# Altium PCB 23005.PcbDoc (part 2 of 3)
Units mm, origin at the board's own origin, x right, y up, seen from the top; angles counter-clockwise.
Board outline 170 x 170 mm, 4 copper layers (Top Layer, Mid Layer 1, Mid Layer 2, Bottom Layer), stack 0.981 mm thick; 179 components, 261 nets, 1060 pads, 391 vias.
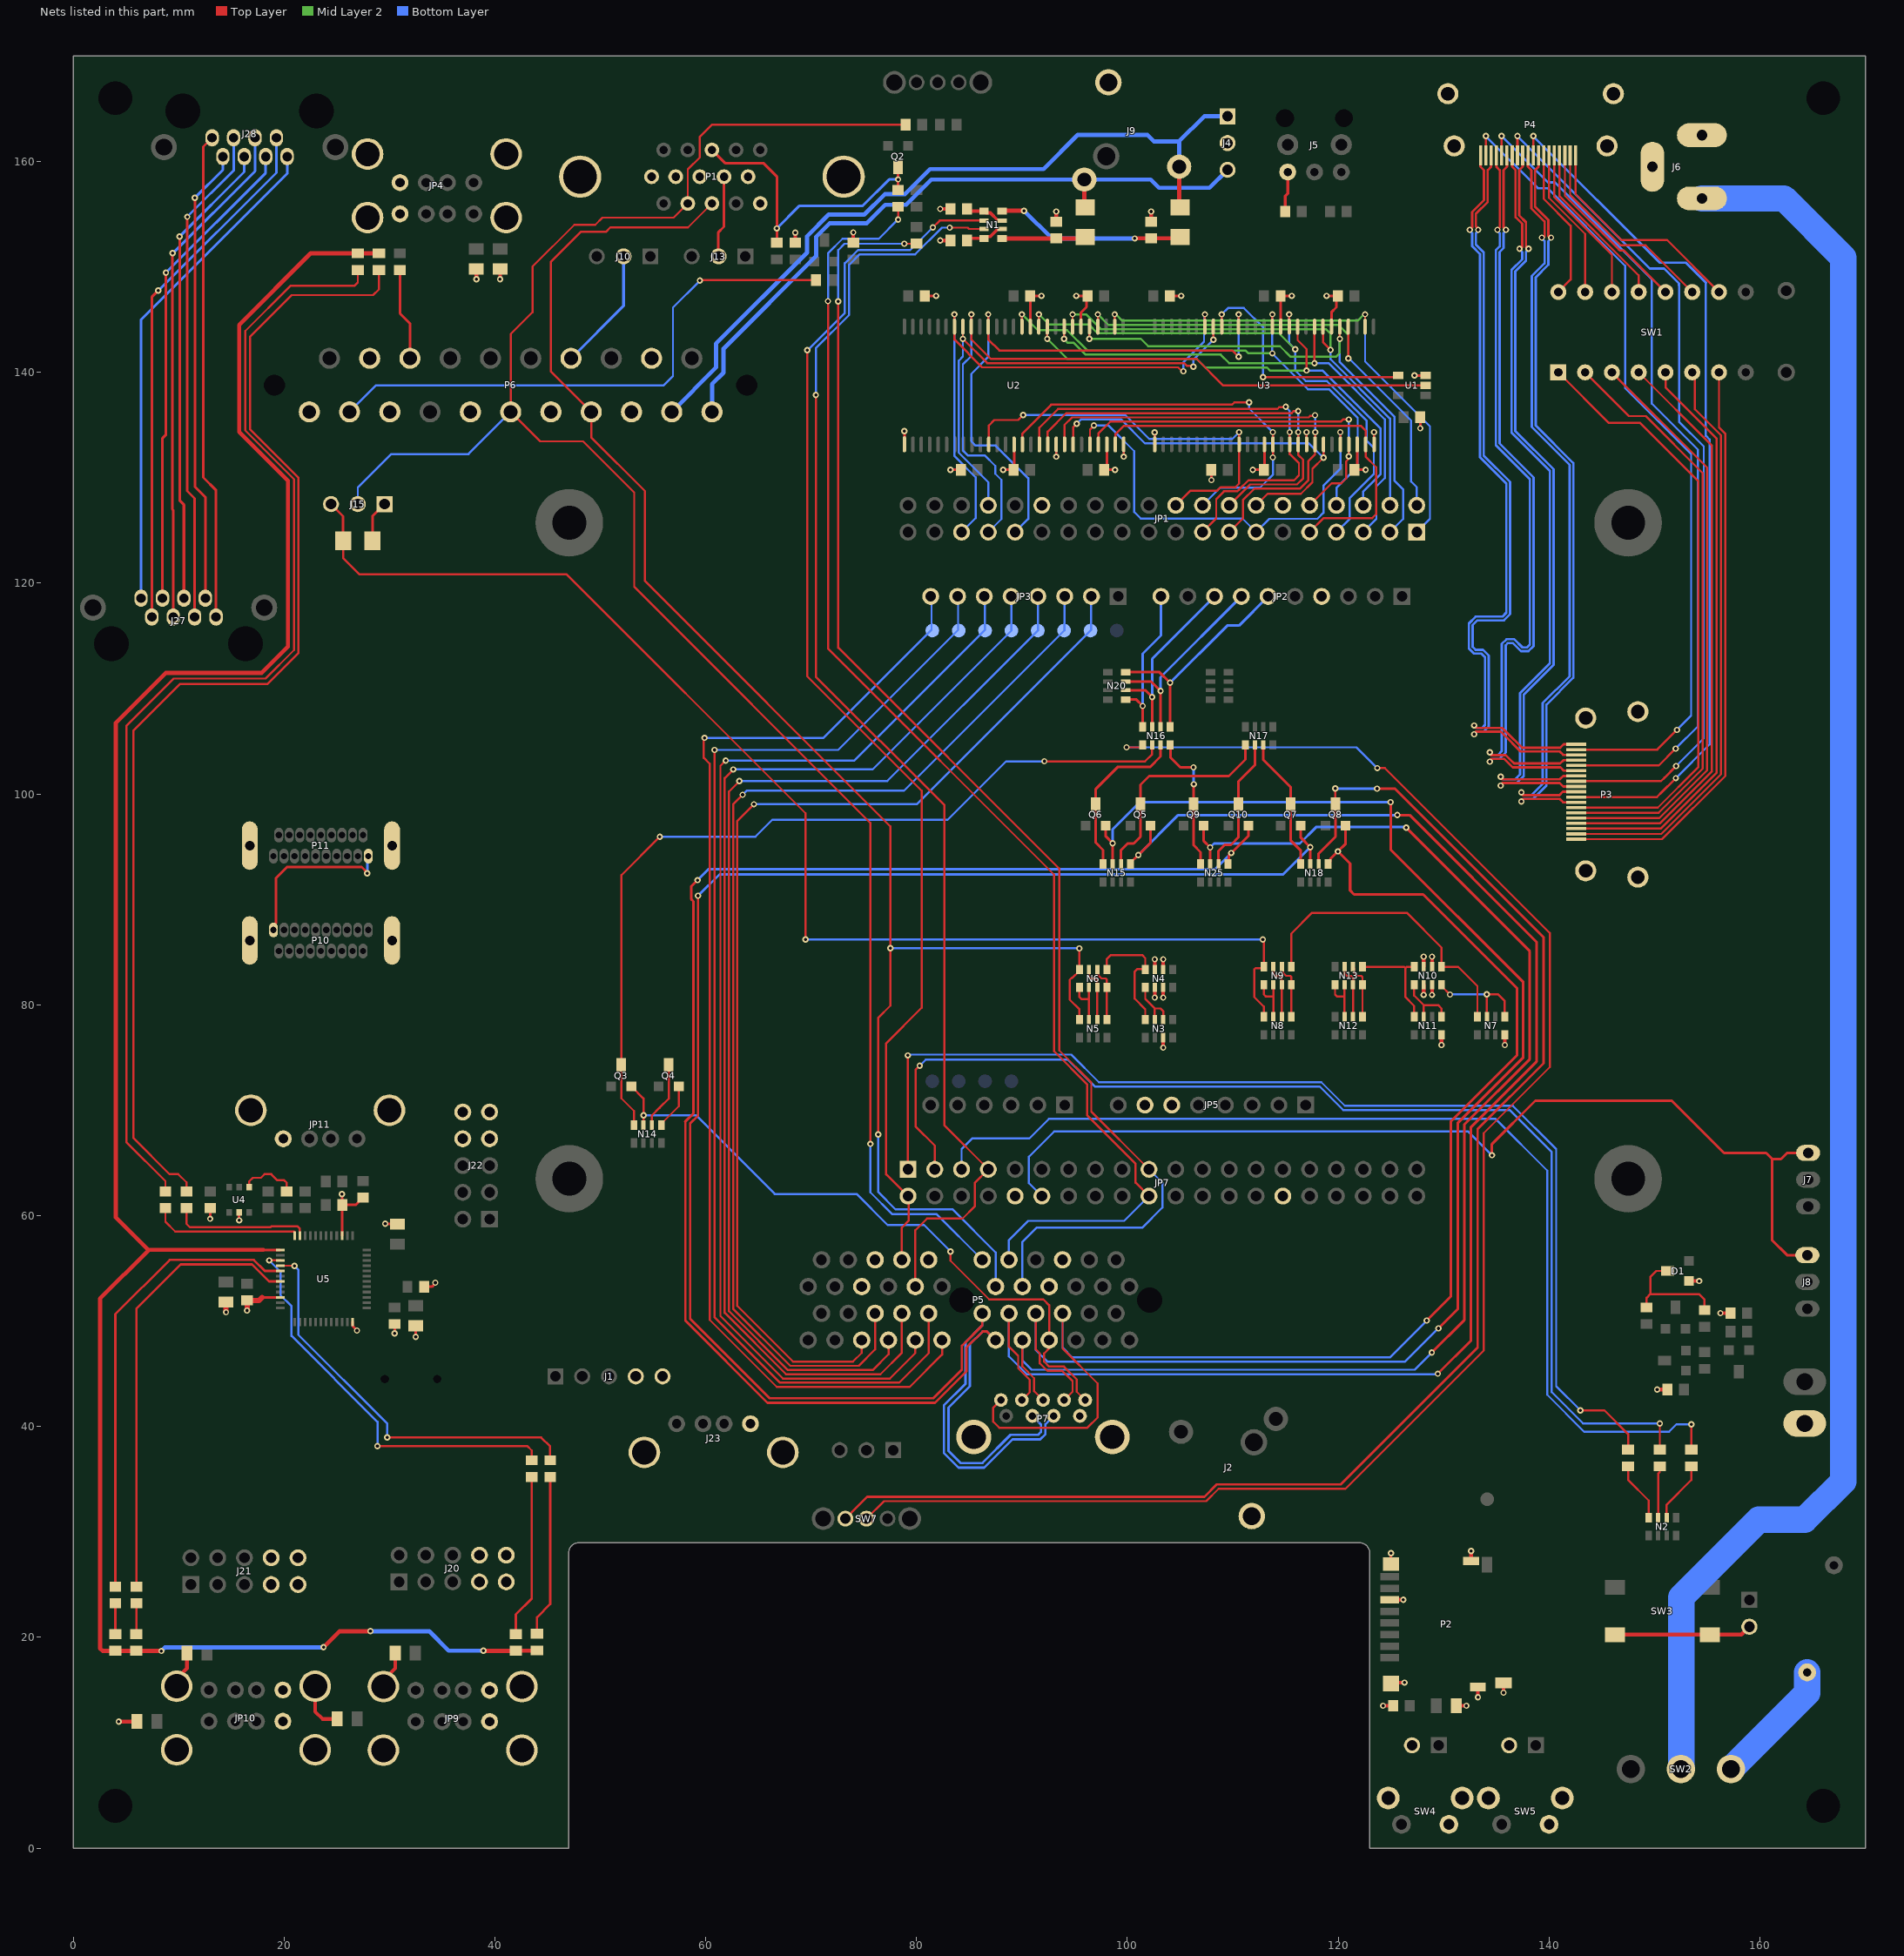
[diagram p4: the nets of this part, all layers, seen from the top]

## Via types
v1: diameter 0.6, hole 0.3, Top Layer to Bottom Layer, tented both sides, 388 vias
v2: diameter 1.4, hole 0.8, Top Layer to Bottom Layer, tented both sides, 3 vias

## Nets (pads, with @x,y where several pads share a name; then routed paths per layer and width w, separated by ;. In a path a pad name is that pad's centre, name@x,y a point inside that pad or via, vN(x,y) a via of type N, cw(c..) or ccw(c..) an arc to the next point about the centre after c; other vN are vias at no path point) (continued)
ARD_IO1: JP3.2 P5.28 PP9.1 | length 105.8
  Top Layer w0.2: v1(64.575,99.025) 63,97.45 63,51.425 68.275,46.15 73.975,46.15 74.8,46.975 P5.28@74.8,48.19
  Bottom Layer w0.2: v1(64.575,99.025) 80.025,99.025 PP9.1@96.5,115.5 96.545,115.545 96.545,118.695 JP3.2@96.59,118.74
ARD_IO2: JP3.3 P5.29 PP10.1 | length 109.1
  Top Layer w0.2: v1(63.5,99.925) 62.6,99.025 62.6,51.175 68.025,45.75 74.525,45.75 76.07,47.295 P5.29@76.07,50.73
  Bottom Layer w0.2: v1(63.5,99.925) 63.875,100.3 78.8,100.3 PP10.1@94,115.5 94.025,115.525 94.025,118.715 JP3.3@94.05,118.74
ARD_IO3: JP3.4 P5.30 PP11.1 | length 107.6
  Top Layer w0.2: v1(63.2,101.225) 62.2,100.225 62.2,50.941 67.791,45.35 75.85,45.35 77.34,46.84 P5.30@77.34,48.19
  Bottom Layer w0.2: v1(63.2,101.225) 77.225,101.225 PP11.1@91.5,115.5 91.505,115.505 91.505,118.735 JP3.4@91.51,118.74
ARD_IO4: JP3.5 P5.31 PP12.1 | length 110.8
  Top Layer w0.2: v1(62.625,102.325) 61.8,101.5 61.8,50.775 67.625,44.95 76.575,44.95 78.61,46.985 P5.31@78.61,50.73
  Bottom Layer w0.2: v1(62.625,102.325) 75.825,102.325 PP12.1@89,115.5 88.985,115.515 88.985,118.725 JP3.5@88.97,118.74
ARD_IO5: JP3.6 P5.32 PP13.1 | length 109
  Top Layer w0.2: v1(61.9,103.175) 61.4,102.675 61.4,50.475 67.325,44.55 77.475,44.55 79.88,46.955 P5.32@79.88,48.19
  Bottom Layer w0.2: v1(61.9,103.175) 74.105,103.175 86.465,115.535 86.465,118.705 JP3.6@86.43,118.74
ARD_IO6: JP3.7 P5.33 PP14.1 | length 112.7
  Top Layer w0.2: v1(60.85,104.175) 60.825,104.15 60.825,50.375 67.05,44.15 78.35,44.15 81.15,46.95 P5.33@81.15,50.73
  Bottom Layer w0.2: v1(60.85,104.175) 72.565,104.175 83.945,115.555 83.945,118.685 JP3.7@83.89,118.74
ARD_IO7: JP3.8 P5.34 PP15.1 | length 111.8
  Top Layer w0.2: v1(59.9,105.325) 59.825,105.25 59.825,103.425 60.388,102.862 60.388,50.113 66.75,43.75 79.35,43.75 82.42,46.82 P5.34@82.42,48.19
  Bottom Layer w0.2: v1(59.9,105.325) 59.925,105.3 71.15,105.3 81.425,115.575 81.425,118.665 JP3.8@81.35,118.74
AUD_LEFT: C16.2 J4.1 J9.2 P6.3 | length 73.4
  Top Layer w0.4: J9.2@104.909,159.509 104.909,155.738 C16.2@105,155.647
  Bottom Layer w0.4: P6.3@56.78,136.25 60.975,140.445 60.975,142.725 69.625,151.375 69.625,152.925 71.663,154.962 75.05,154.962 76.988,156.9 78.9,156.9 81.275,159.275 92.05,159.275 95.3,162.525 101.893,162.525 102.509,161.909 104.909,161.909 ; J9.2@104.909,159.509 104.909,161.909 ; J4.1@109.5,164.29 107.29,164.29 104.909,161.909
AUD_RIGHT: C19.2 J4.3 J9.4 P6.1 | length 65.7
  Top Layer w0.4: J9.4@95.917,158.29 95.917,155.73 C19.2@96,155.647
  Bottom Layer w0.4: P6.1@60.6,136.25 60.6,138.875 61.7,139.975 61.7,142.25 70.475,151.025 70.475,152.85 71.775,154.15 75.275,154.15 77.025,155.9 79.025,155.9 81.415,158.29 J9.4@95.917,158.29 102.21,158.29 103,157.5 107.79,157.5 J4.3@109.5,159.21
BA0: JP1.34 U2.20 U3.20 | length 45.8
  Top Layer w0.2: U2.20@84.399,144.338 v1(84.399,143.176) 86.7,140.875 105.392,140.875 105.665,140.602 106.173,140.602 v1(106.25,140.525) ; v1(108.149,143.1) U3.20@108.149,144.338
  Bottom Layer w0.2: v1(84.399,143.176) 84.399,141.5 83.999,141.1 83.999,132.376 86.81,129.565 JP1.34@86.81,127.38 ; v1(106.25,140.525) 106.25,141.168 108.149,143.068 v1(108.149,143.1)
BA1: JP1.35 U2.21 U3.21 | length 54.8
  Top Layer w0.2: v1(83.599,145.5) U2.21@83.599,144.338 83.599,143.101 86.225,140.475 104.817,140.475 105.192,140.1 v1(105.3,140.1) ; U3.21@107.349,144.338 v1(107.349,145.5)
  Bottom Layer w0.2: v1(83.599,145.5) 83.599,132.051 85.6,130.05 85.6,126.17 JP1.35@84.27,124.84 ; v1(105.3,140.1) 105.3,140.925 107.273,142.898 107.273,145.422 v1@107.35,145.499
BLUE: N5.8 N6.8 P1.3 P5.13 P6.7 | length 161.9
  Top Layer w0.2: P1.3@60.59,156.02 58.32,153.75 50.95,153.75 50.525,153.325 48.15,153.325 45.325,150.5 45.325,140.065 P6.7@49.14,136.25 49.14,133.835 54.25,128.725 54.25,120.2 77.525,96.925 v1(77.525,85.375) 77.525,79.925 76.375,78.775 v1(76.375,67.7) ; N5.8@95.45,78.6 95.45,79.575 94.525,80.5 94.525,82.35 94.725,82.55 94.775,82.55 95.45,83.225 N6.8@95.45,83.35 v1(95.45,85.35)
  Bottom Layer w0.2: v1(76.375,67.7) 76.375,62.225 78.02,60.58 83.433,60.58 87.5,56.513 P5.13@87.5,53.27 ; v1(77.525,85.375) 77.538,85.362 95.438,85.362 v1(95.45,85.35)
CAS: JP1.31 U2.17 U3.17 | length 57.2
  Top Layer w0.2: v1(86.8,145.5) U2.17@86.8,144.338 86.8,143.128 87.852,142.075 109.95,142.075 v1(110.55,141.475) ; U3.17@110.55,144.338 v1(110.55,145.5)
  Bottom Layer w0.2: v1(86.8,145.5) 86.8,141.45 85.199,139.85 85.199,133.451 85.6,133.05 87.5,133.05 90.6,129.95 90.6,126.09 JP1.31@89.35,124.84 ; v1(110.55,141.475) v1(110.55,145.5)
CLK: JP1.20 U2.38 U3.38 | length 38.9
  Top Layer w0.2: U2.38@86.85,133.162 86.85,134.95 87.375,135.475 89.65,135.475 v1(90.125,135.95) ; JP1.20@104.59,127.38 105.985,128.775 108.525,128.775 108.863,129.113 110.263,129.113 110.6,129.45 U3.38@110.6,133.162 v1@110.6,134.323
  Bottom Layer w0.2: v1(90.125,135.95) 99.8,135.95 102.075,133.675 109.949,133.675 v1(110.599,134.325)
CS1: JP1.33 U1.2 U2.19 | length 71.3
  Top Layer w0.2: v1(85.199,145.5) U2.19@85.199,144.338 85.199,143.128 87.052,141.275 106.575,141.275 109.1,138.75 U1.2@128.3,138.75
  Bottom Layer w0.2: v1(85.199,145.5) 85.199,141.549 84.399,140.749 84.399,132.576 84.85,132.125 86.475,132.125 87.475,131.125 87.475,130.375 88.05,129.8 88.05,126.08 JP1.33@86.81,124.84
CS2: U1.4 U3.19 | length 23.7
  Top Layer w0.2: U3.19@108.949,144.338 v1(108.949,145.5) ; v1(112.875,139.55) 125.55,139.55 U1.4@125.7,139.7
  Bottom Layer w0.2: v1(108.949,145.5) 109.549,146.1 111.05,146.1 112.875,144.275 v1(112.875,139.55)
CTS: JP2.6 N16.1 N20.4 | length 21.5
  Top Layer w0.25: N20.4@99.85,111.55 103.05,111.55 v1(104.05,110.55) N16.1@104.05,106.35
  Bottom Layer w0.25: v1(104.05,110.55) 109.475,115.975 110.585,115.975 JP2.6@113.35,118.74
DQ0: JP1.1 U2.2 U3.2 | length 50.3
  Top Layer w0.2: U2.2@98.801,144.338 v1(98.801,145.5) ; U3.2@122.551,144.338 v1(122.551,145.5)
  Mid Layer 2 w0.2: v1(98.801,145.5) 98.909,145.5 99.509,144.9 121.843,144.9 122.443,145.5 v1(122.551,145.5)
  Bottom Layer w0.2: v1(122.551,145.5) 122.551,141.024 128.7,134.875 128.7,126.09 JP1.1@127.45,124.84
DQ1: JP1.2 U2.4 U3.4 | length 47.6
  Top Layer w0.2: U2.4@97.201,144.338 v1(97.201,145.5) ; v1@120.95,141.325 U3.4@120.951,144.338
  Mid Layer 2 w0.2: v1(97.201,145.5) 98.201,144.5 120.025,144.5 120.95,143.575 v1(120.95,141.325)
  Bottom Layer w0.2: v1(120.95,141.325) 121,141.325 126.9,135.425 126.9,129.65 127.45,129.1 JP1.2@127.45,127.38
DQ2: JP1.3 U2.5 U3.5 | length 49.6
  Top Layer w0.2: v1(96.401,143.176) U2.5@96.401,144.338 ; v1(120.151,143.176) U3.5@120.151,144.338
  Mid Layer 2 w0.2: v1(96.401,143.176) 101.274,143.176 101.975,142.475 114.475,142.475 115.475,141.475 119.775,141.475 120.151,141.851 v1(120.151,143.176)
  Bottom Layer w0.2: v1(120.151,143.176) 120.151,140.974 125.325,135.8 125.325,129.725 126.15,128.9 126.15,126.08 JP1.3@124.91,124.84
DQ3: JP1.4 U2.7 U3.7 | length 47.5
  Top Layer w0.2: U2.7@94.801,144.338 v1(94.801,145.5) ; U3.7@118.551,144.338 118.576,144.313 118.576,142.824 v1(119.275,142.125)
  Mid Layer 2 w0.2: v1(94.801,145.5) 96.075,145.5 97.475,144.1 118.825,144.1 119.275,143.65 v1(119.275,142.125)
  Bottom Layer w0.2: v1(119.275,142.125) 119.275,141.241 124.91,135.606 JP1.4@124.91,127.38
DQ4: JP1.5 U2.8 U3.8 | length 49.8
  Top Layer w0.2: v1(94.001,143.176) U2.8@94.001,144.338 ; v1(117.75,140.875) U3.8@117.75,144.338
  Mid Layer 2 w0.2: v1(94.001,143.176) 94.001,143.125 94.337,142.788 94.922,142.788 96.034,141.675 108.85,141.675 109.65,140.875 v1(117.75,140.875)
  Bottom Layer w0.2: v1(117.75,140.875) 119.075,140.875 124.425,135.525 124.425,129.975 123.625,129.175 123.625,126.095 JP1.5@122.37,124.84
DQ5: JP1.6 U2.10 U3.10 | length 48.8
  Top Layer w0.2: v1(92.4,143.176) U2.10@92.4,144.338 ; U3.10@116.15,144.338 116.15,143.05 117,142.2 v1(117,140.175)
  Mid Layer 2 w0.2: v1(92.4,143.176) 94.301,141.275 106.575,141.275 107.4,140.45 113.246,140.45 113.521,140.175 v1(117,140.175)
  Bottom Layer w0.2: v1(117,140.175) 118.491,140.175 124.025,134.641 124.025,130.35 122.373,128.698 122.373,127.383 JP1.6@122.37,127.38
DQ6: JP1.7 U2.11 U3.11 | length 54.7
  Top Layer w0.2: U2.11@91.6,144.338 v1(91.6,145.5) ; U3.11@115.35,144.338 v1(115.35,145.5)
  Mid Layer 2 w0.2: v1(91.6,145.5) 92.55,144.55 96.325,144.55 97.175,143.7 114.4,143.7 v1(115.925,142.175)
  Bottom Layer w0.2: v1(115.35,145.5) 115.35,142.75 v1(115.925,142.175) 115.925,140.175 116.925,139.175 118.925,139.175 122.7,135.4 122.7,133.5 123.375,132.825 123.375,130.35 121.1,128.075 121.1,126.11 JP1.7@119.83,124.84
DQ7: JP1.8 U2.13 U3.13 | length 51.1
  Top Layer w0.2: U2.13@90,144.338 v1(90,145.5) ; U3.13@113.75,144.338 v1(113.75,145.5)
  Mid Layer 2 w0.2: v1(90,145.5) 91.5,144 94.275,144 96.2,142.075 111.2,142.075 111.475,141.8 v1(113.75,141.8)
  Bottom Layer w0.2: v1@113.75,141.775 117.125,138.4 119.134,138.4 121.85,135.684 121.85,131.063 119.83,129.043 JP1.8@119.83,127.38 ; v1(113.75,141.8) v1(113.75,145.5)
DQ8: JP1.18 U2.42 U3.42 | length 39.4
  Top Layer w0.2: U2.42@90.042,133.171 90.042,134.192 92.775,136.925 109.924,136.925 110.149,137.15 v1(111.55,137.15) ; v1@113.801,131.926 U3.42@113.801,133.162 v1@113.801,134.323
  Bottom Layer w0.2: JP1.18@107.13,127.38 108.8,129.05 112.575,129.05 113.8,130.275 v1(113.8,131.925) ; v1(111.55,137.15) 111.55,136.574 v1(113.799,134.325)
DQ9: JP1.17 U2.44 U3.44 | length 45.2
  Top Layer w0.2: U2.44@91.642,133.171 91.642,134.742 93.425,136.525 114.237,136.525 114.4,136.688 114.988,136.688 v1(115.025,136.725) ; JP1.17@107.13,124.84 108.425,126.135 108.425,127.975 109.163,128.713 110.428,128.713 110.579,128.863 110.587,128.863 111.487,129.762 115.812,129.762 116.275,130.225 116.275,131.375 115.401,132.249 U3.44@115.401,133.162 v1@115.401,134.323
  Bottom Layer w0.2: v1(115.025,136.725) 115.025,136.7 115.399,136.326 v1(115.399,134.325)
DQ10: JP1.16 U2.45 U3.45 | length 40.4
  Top Layer w0.2: U2.45@92.442,133.171 92.442,134.367 94.2,136.125 115.575,136.125 115.763,136.313 116.188,136.313 v1(116.2,136.325) ; JP1.16@109.67,127.38 111.652,129.362 116.087,129.362 116.675,129.95 116.675,131.7 116.201,132.174 U3.45@116.201,133.162 v1@116.201,134.323
  Bottom Layer w0.2: v1(116.2,134.325) v1@116.2,136.324
DQ11: JP1.15 U2.47 U3.47 | length 43
  Top Layer w0.2: U2.47@94.051,133.162 94.043,133.171 94.043,135.009 94.759,135.725 117.2,135.725 117.35,135.875 117.75,135.875 v1(117.8,135.925) ; JP1.15@109.67,124.84 110.95,126.12 110.95,127.875 112.038,128.963 116.363,128.963 117.15,129.75 117.15,131.55 117.801,132.201 U3.47@117.801,133.162 117.813,133.174 117.813,134.313 v1(117.825,134.325)
  Bottom Layer w0.2: v1(117.8,135.925) 117.812,135.912 117.812,134.337 v1(117.825,134.325)
DQ12: JP1.14 U2.48 U3.48 | length 37.5
  Top Layer w0.2: U2.48@94.831,133.172 U2.48@94.842,133.183 ; U2.48@94.851,133.162 94.851,134.776 v1(95.2,135.125) ; JP1.14@112.21,127.38 113.302,128.473 114.287,128.473 114.294,128.48 116.455,128.48 117.55,129.575 117.55,130.85 v1(118.601,131.901) U3.48@118.601,133.162
  Bottom Layer w0.2: v1(95.2,135.125) 95.625,135.55 99.375,135.55 101.675,133.25 117.226,133.25 118.574,131.901 v1(118.601,131.901)
DQ13: JP1.13 U2.50 U3.50 | length 41.5
  Top Layer w0.2: U2.50@96.452,133.162 96.452,134.577 v1(96.825,134.95) ; v1(120.2,134.325) 120.202,134.323 U3.50@120.202,133.162
  Bottom Layer w0.2: v1(96.825,134.95) 98.225,134.95 100.65,132.525 100.65,126.75 101.275,126.125 110.925,126.125 JP1.13@112.21,124.84 113.47,126.1 118.025,126.1 118.6,126.675 118.6,129.25 120.2,130.85 v1(120.2,134.325)
DQ14: JP1.10 U2.51 U3.51 | length 36.7
  Top Layer w0.2: U2.51@97.252,133.162 97.252,134.202 98.375,135.325 120.25,135.325 120.45,135.525 v1(121,135.525) ; JP1.10@117.29,127.38 119.385,129.475 120.3,129.475 120.75,129.925 120.75,131.55 121.002,131.802 v1(121.002,132.025) U3.51@121.002,133.162
  Bottom Layer w0.2: v1(121,135.525) 121,135.475 121.002,135.473 v1(121.002,132.025)
DQ15: JP1.9 U2.53 U3.53 | length 40.6
  Top Layer w0.2: U2.53@98.852,133.162 98.852,134.102 99.675,134.925 122.15,134.925 122.602,134.473 U3.53@122.602,133.162 122.602,131.998 123.6,131 123.6,126.55 123.225,126.175 118.625,126.175 JP1.9@117.29,124.84
DSR: JP2.8 N16.3 N20.2 | length 17.6
  Top Layer w0.25: N20.2@99.85,109.85 101.7,109.85 v1(102.35,109.2) N16.3@102.35,106.35
  Bottom Layer w0.25: v1(102.35,109.2) 102.35,111.425 102.35,112.82 104.4,114.87 JP2.8@108.27,118.74
DTR: JP2.7 N16.2 N20.3 | length 19.2
  Top Layer w0.25: N20.3@99.85,110.65 102.275,110.65 v1(103.15,109.775) N16.2@103.15,106.35
  Bottom Layer w0.25: v1(103.15,109.775) 103.15,111.08 JP2.7@110.81,118.74
FAN_DRIVE: J7.1 J8.1 JP7.12 | length 97
  Top Layer w0.25: v1(134.582,65.728) 134.582,66.782 138.7,70.9 151.65,70.9 156.6,65.95 160.587,65.95 161.175,65.363 ; J8.1@164.5,56.25 162.575,56.25 161.175,57.65 161.175,65.363 ; J7.1@164.575,65.95 162.581,65.95 161.994,65.363 161.175,65.363
  Bottom Layer w0.2: JP7.12@91.89,61.85 90.65,63.09 90.65,65.575 93.05,67.975 132.325,67.975 134.572,65.728 v1(134.582,65.728)
FLAG-: R21.1 U4.4 | length 5.5
  Top Layer w0.2: U4.4@16.7,62.7 16.7,63.25 17.037,63.588 17.812,63.588 18.15,63.925 18.8,63.925 19.375,63.35 20.025,63.35 20.25,63.125 R21.1@20.25,62.287
GND: C1.2 C2.2 C3.2 C4.2 C5.2 C6.2 C7.2 C8.2 C9.2 C10.2 C11.2 C12.2 C13.2 C14.2 C15.1 C17.2 C18.1 C20.2 C21.2 C23.2 C24.2 C25.2 C26.2 C27.2 C28.2 C29.2 C30.2 C31.2 C32.2 C33.2 C34.2 C35.2 D1.1 J1.4 J1.5 J2.1 J4.2 J5.1 J6.2 J6.3 J9.1 J11.2 J12.2 J14.2 J20.7 J20.8 J20.9 J20.10 J21.7 J21.8 J21.9 J21.10 J22.7 J22.8 J22.9 J22.10 J23.4 J23.5 J23.6 J29.2 JP1.12 JP1.30 JP2.4 JP4.4 JP4.8 JP4.9 JP4.10 JP4.11 JP4.12 JP5.6 JP5.7 JP7.10 JP7.30 JP9.4 JP9.8 JP9.9 JP9.10 JP9.11 JP9.12 JP10.4 JP10.8 JP10.9 JP10.10 JP10.11 JP10.12 JP11.4 JP11.5 JP11.6 N3.3 N4.2 N4.3 N4.6 N4.7 N7.4 N10.2 N10.3 N10.6 N10.7 N11.4 P1.5 P1.6 P1.7 P1.8 P1.10 P1.16 P1.17 P2.6 P2.12 P2.13 P2.14 P2.15 P2.16 P3.20 P3.21 P3.22 P3.23 P4.20 P4.21 P4.22 P4.23 P5.5 P5.6 P5.10 P5.17 P5.18 P6.4 P6.5 P6.9 P6.13 P6.17 P6.18 P6.21 P7.4 P7.10 P10.20 P10.21 P11.20 P11.21 R1.2 R2.2 R3.2 R12.2 R20.1 R25.1 R30.1 SW3.1 SW3.2 SW4.2 SW4.3 SW4.4 SW5.2 SW5.3 SW5.4 U1.3 U2.6 U2.12 U2.28 U2.41 U2.46 U2.52 U2.54 U3.6 U3.12 U3.28 U3.41 U3.46 U3.52 U3.54 U4.2 U5.10 U5.24 U5.39 | length 122.8
  Top Layer w0.2: v1@93.251,131.999 U2.46@93.251,133.162 ; v1@99.652,131.999 U2.54@99.652,133.162 ; U3.46@117.001,133.162 v1(117.002,134.325) ; U3.54@123.402,133.162 v1(123.402,134.325)
  Top Layer w0.25: v1(13,59.7) R20.1@13,60.713 ; C30.2@14.499,51.8 C30.2@14.5,51.799 ; v1(15.75,59.55) U4.2@15.75,60.3 ; 17.925,52.25 U5.10@19.66,52.25 ; U5.39@25.5,58.09 25.5,60.787 25.537,60.825 C33.2@25.537,61 ; v1(25.5,62.05) 25.5,61.037 26.825,61.037 R30.1@27.5,61.713 ; U5.24@26.5,49.91 26.5,49.535 26.925,49.11 v1(26.925,49.1) ; v1(29.6,59.225) 30.726,59.225 C32.2@30.751,59.2 ; v1(30.5,48.825) C35.2@30.5,49.713 ; C34.2@32.499,49.55 32.5,49.549 v1(32.5,48.5) ; R25.1@33.287,53.25 34.042,53.25 34.35,53.558 v1(34.35,53.635) ; v1(78.85,134.425) 78.85,134.546 78.852,134.548 U2.28@78.852,133.172 ; C8.2@80.787,147.25 v1(81.85,147.25) ; v1(83.225,130.75) C11.2@84.213,130.75 ; v1(88.225,130.75) C12.2@89.213,130.75 89.251,130.788 U2.41@89.251,133.162 ; U2.12@90.8,144.338 90.8,147.237 C9.2@90.787,147.25 v1(91.85,147.25) ; v1(95.15,147.25) C10.2@96.213,147.25 96.125,147.162 96.125,146.2 95.601,145.676 U2.6@95.601,144.338 ; U2.52@98.052,133.162 98.052,131.014 C13.2@97.787,130.75 v1(98.825,130.75) ; v1(102.59,134.3) 102.596,134.294 102.596,133.178 U3.28@102.602,133.172 ; C3.2@104.037,147.25 v1(105.1,147.25) ; C2.2@107.963,130.75 107.975,130.738 v1(107.975,129.775) ; v1(111.9,130.75) C6.2@112.963,130.75 113.001,130.788 U3.41@113.001,133.162 ; U3.12@114.55,144.338 114.55,147.237 C4.2@114.537,147.25 v1(115.6,147.25) ; v1(118.9,147.25) C5.2@119.963,147.25 119.825,147.112 119.825,146.175 119.351,145.701 U3.6@119.351,144.338 ; U3.52@121.802,133.162 121.802,131.014 C7.2@121.537,130.75 v1(122.6,130.75) ; P2.15@125,26.95 v1(125,27.975) ; v1(127.237,139.7) U1.3@128.3,139.7 ; v1(127.787,134.687) C1.2@127.787,135.75
  Top Layer w0.3: C23.2@114.963,155.25 114.963,156.713 115.21,156.96 J5.1@115.21,159
  Top Layer w0.35: v1(4.325,12) 4.326,12.001 C27.2@6.05,12.001 ; JP10.9@9.82,15.35 9.82,16.067 10.8,17.047 C26.2@10.8,18.501 ; JP10.10@22.96,15.35 22.96,12.94 23.649,12.251 C24.2@25.05,12.251 ; JP9.9@29.43,15.32 29.43,15.944 30.55,17.064 C25.2@30.55,18.501 ; v1(38.249,148.837) C28.2@38.249,149.8 ; v1(40.499,148.837) C29.2@40.499,149.8 ; R2.2@68.5,152.287 v1(68.5,153.25) ; R1.2@74,152.287 v1(74,153.275) ; v1(82.25,152.5) C17.2@83.213,152.5 ; v1(82.25,155.5) C14.2@83.213,155.5 ; C18.1@93.25,154.287 v1(93.25,155.25) ; C15.1@102.25,154.287 v1(102.25,155.25) ; v1(102.6,80.687) N4.2@102.6,81.65 ; N4.7@102.6,83.35 v1(102.6,84.313) ; v1(103.4,75.937) N3.3@103.4,76.9 ; v1(103.4,80.687) N4.3@103.4,81.65 ; N4.6@103.4,83.35 v1(103.4,84.313) ; v1(124.25,13.5) C21.2@125.213,13.5 ; P2.6@124.875,23.55 v1(126.175,23.55) ; P2.12@125,15.7 v1(126.275,15.7) ; v1(128.1,80.937) N10.2@128.1,81.9 ; N10.7@128.1,83.6 v1(128.1,84.563) ; v1(128.9,80.937) N10.3@128.9,81.9 ; N10.6@128.9,83.6 v1(128.9,84.563) ; v1(129.8,76.187) N11.4@129.8,77.15 ; C20.2@131.2,13.499 v1(132.163,13.499) ; P2.14@132.6,27.225 v1(132.6,28.188) ; v1(133.25,14.312) P2.13@133.25,15.275 ; v1(135.675,14.737) P2.16@135.675,15.7 ; v1(135.8,76.187) N7.4@135.8,77.15 ; SW3.2@146.25,20.25 SW3.1@155.25,20.25 158.25,20.25 J11.2@159,21 ; v1(150.25,43.5) R3.2@151.213,43.5 ; D1.1@153.282,53.797 v1(154.245,53.797) ; v1(156.25,50.75) R12.2@157.213,50.75
  Top Layer w0.5: v1(14.5,50.825) C30.2@14.5,51.799 ; v1(16.5,51) C31.2@16.5,51.963 17.638,51.963 17.925,52.25
  other v1: 93.251,131.999 99.652,131.999
GREEN: J15.2 P1.2 P5.12 P6.11 R10.1 | length 181.5
  Top Layer w0.2: v1(75.625,66.8) 75.625,97.25 53.225,119.65 53.225,128.6 48.375,133.45 44.3,133.45 P6.11@41.5,136.25 41.5,143.625 43.575,145.7 43.575,150.025 47.55,154 49.525,154 50.2,154.675 56.955,154.675 P1.2@58.3,156.02 58.3,159.25 59.45,160.4 59.45,162.35 60.6,163.5 R10.1@78.963,163.5
  Bottom Layer w0.2: J15.2@27,127.5 27,129.075 30.175,132.25 37.5,132.25 P6.11@41.5,136.25 ; v1(75.625,66.8) 75.625,62.2 77.7,60.125 81.915,60.125 P5.12@86.23,55.81
GREEN_SW: C22.2 J15.3 N8.8 N9.8 | length 123.3
  Top Layer w0.2: C22.2@25.603,124 25.603,122.397 27.175,120.825 46.825,120.825 69.475,98.175 v1(69.475,86.2) ; v1(112.85,86.2) 112.95,86.1 N9.8@112.95,83.6 ; N8.8@112.95,78.85 112.95,79.825 112.025,80.75 112.025,83.358 112.142,83.475 N9.8@112.95,83.475
  Top Layer w0.25: J15.3@24.46,127.5 25.603,126.357 C22.2@25.603,124
  Bottom Layer w0.2: v1(69.475,86.2) v1(112.85,86.2)
HDMI_CK_N: P3.12 P4.12 | length 72
  Top Layer w0.23: v1@137.51,99.533 141.018,99.533 141.34,99.21 P3.12@142.575,99.21 ; P4.12@139,160.575 139,159.51 138.677,159.188 138.677,156.31 138.678,155.698 139.93,154.445 139.93,152.91 139.953,152.91 140.089,152.773 v1(140.189,152.773)